# KiCad board ENV_KB.kicad_pcb (continued)
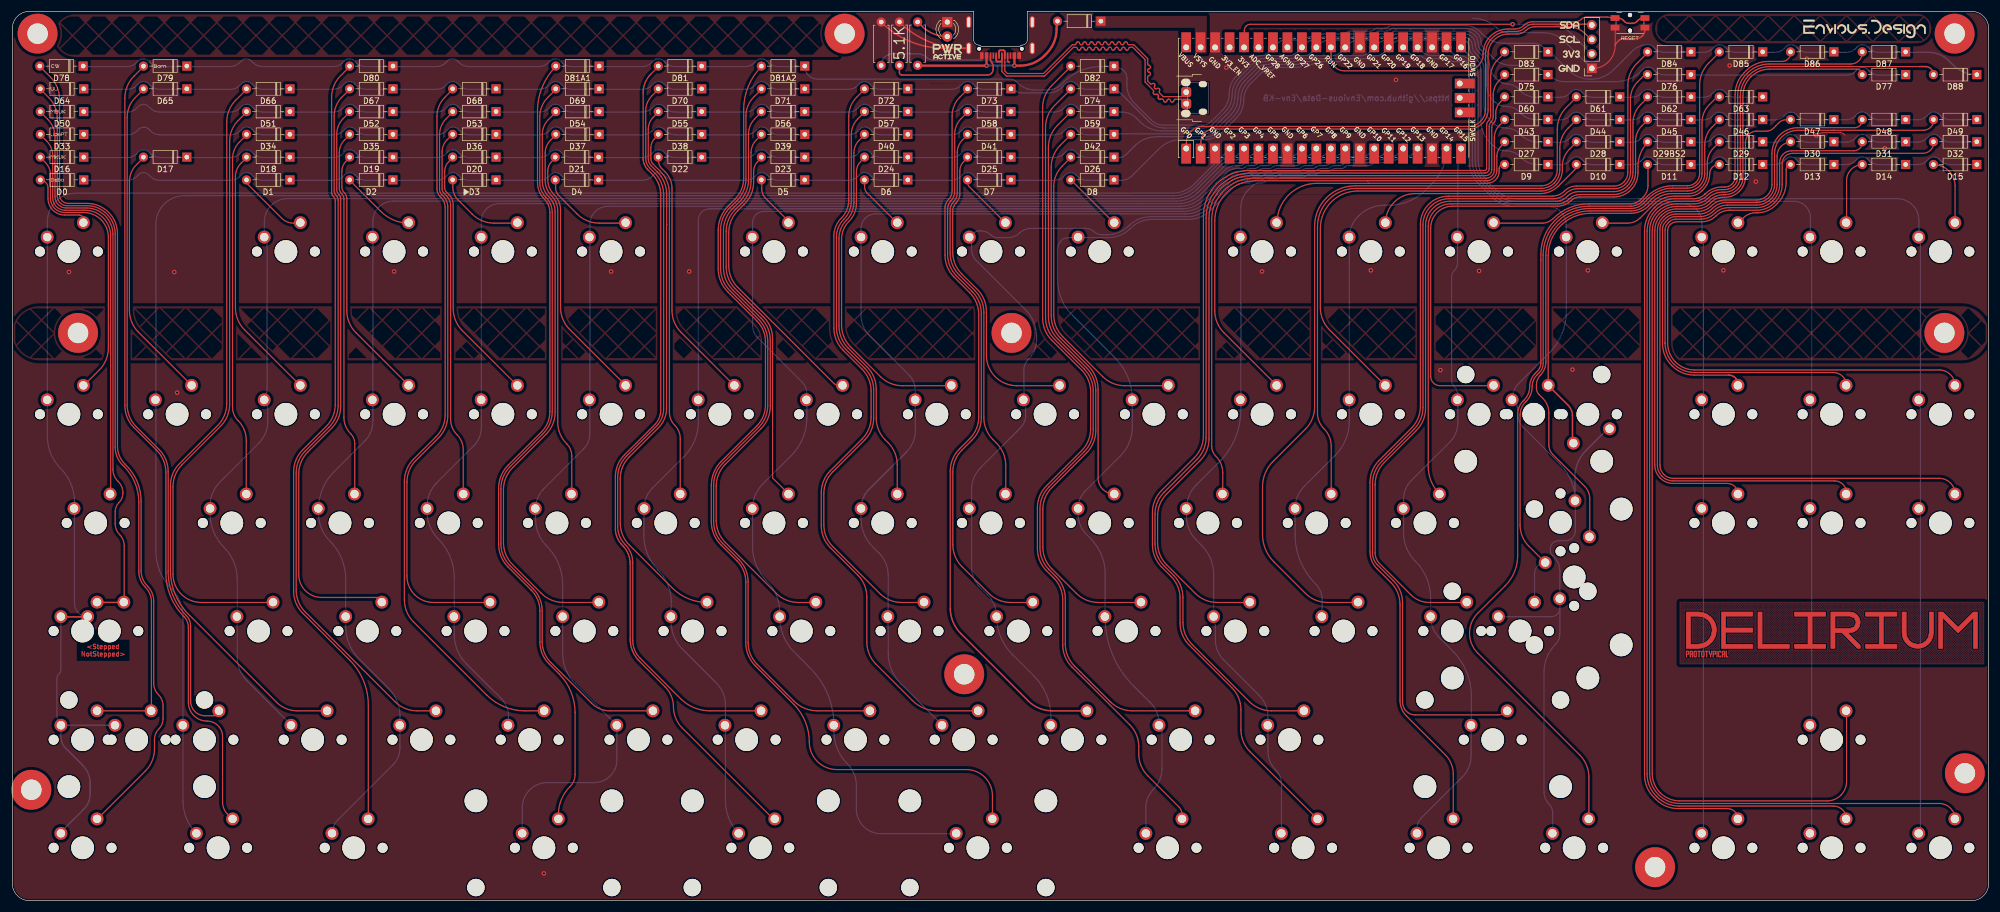
[diagram p0: board, top side]
## Routing (per net, layer and track width the routed paths; a pad name or vN(x,y) marks a point on that pad's centre or on a via; arc(x,y) is an arc through that point) (continued)
Net-(D42-Pad2): length 68.9
  Top w0.2: 185.84,134.6 184,132.76 arc(182.82,131) 182.41,128.92 182.41,102.76 arc(182.82,100.68) 184,98.92 188.91,94.01 arc(190.19,92.09) 190.64,89.82 190.64,74.29 arc(191.47,72.29) K_42.2
Net-(D43-Pad2): length 112.8
  Top w0.2: 262.09,137.25 261.15,136.31 arc(260.45,135.27) 260.21,134.04 260.21,128.41 arc(259.79,127.4) 258.78,126.99 217.95,126.99 arc(212.74,124.83) 210.58,119.62 210.58,79.88 arc(210.77,78.93) 211.31,78.12 arc(212.21,76.78) 212.52,75.19 212.52,71.45
Net-(D44-Pad2): length 105.7
  Top w0.2: 274.64,137.25 273.17,135.79 arc(272.09,134.16) 271.71,132.25 271.71,128.48 arc(271.46,127.22) 270.74,126.15 arc(269.68,125.44) 268.42,125.18 235.89,125.18 arc(231.13,123.21) 229.16,118.45 229.16,85.7 arc(229.46,84.21) 230.3,82.95 arc(231.24,81.54) 231.57,79.88 231.57,71.45
Net-(D45-Pad2): length 98.9
  Top w0.2: 287.19,137.25 286.1,136.16 arc(285.29,134.95) 285.01,133.53 285.01,128.02 arc(284.71,126.52) 283.86,125.26 arc(282.6,124.41) 281.1,124.11 275.28,124.11 arc(274.21,123.9) 273.3,123.29 arc(272.39,122.69) 271.33,122.48 252.59,122.48 arc(249.77,121.31) 248.61,118.49 248.61,76.32 arc(249.13,73.69) 250.62,71.45
Net-(D46-Pad2): length 98.9
  Top w0.2: 299.74,137.25 298.45,135.96 arc(297.49,134.53) 297.16,132.85 297.16,127.79 arc(296.93,126.62) 296.26,125.63 arc(295.27,124.97) 294.1,124.73 291.33,124.73 arc(289.42,124.35) 287.79,123.27 286.8,122.28 arc(285.65,121.51) 284.28,121.23 277.08,121.23 arc(271.55,118.94) 269.26,113.41 269.26,94.69 arc(269,93.41) 268.28,92.33 arc(267.78,91.59) 267.61,90.71 267.61,90.03 arc(267.72,89.46) 268.05,88.97 268.72,88.3 arc(269.51,87.12) 269.78,85.73 269.78,80.1 arc(269.96,79.19) 270.48,78.41 276.06,72.83 arc(276.73,71.83) 276.96,70.66 276.96,63.86
Net-(D47-Pad2): length 95.3
  Top w0.2: 312.29,137.25 311.41,137.25 arc(310.76,137.12) 310.21,136.75 309.23,135.78 arc(308.65,135.39) 307.96,135.25 306.28,135.25 arc(304.89,134.67) 304.31,133.28 304.31,130.67 304.31,127.26 arc(304.03,125.87) 303.24,124.69 arc(302.06,123.9) 300.67,123.62 300.34,123.62 arc(299.28,123.41) 298.38,122.81 298.17,122.6 arc(297.03,121.84) 295.69,121.58 292.24,121.58 arc(290.78,121.28) 289.54,120.46 289.46,120.38 arc(288.66,119.19) 288.38,117.78 288.38,76.57 arc(288.63,75.33) 289.33,74.27 arc(290.39,73.57) 291.63,73.32 301.14,73.32 arc(302.46,72.78) 303.01,71.45
Net-(D48-Pad2): length 126.1
  Top w0.2: 324.84,137.25 arc(324.43,136.26) 323.44,135.85 313.49,135.85 arc(310.29,134.52) 308.96,131.31 308.96,125.9 arc(308.75,124.85) 308.15,123.96 arc(307.26,123.36) 306.2,123.15 300.78,123.15 arc(299.46,122.89) 298.34,122.14 arc(297.22,121.39) 295.89,121.12 292.09,121.12 arc(290.94,120.89) 289.96,120.24 289.77,120.05 arc(289.08,119.03) 288.84,117.82 288.84,76.55 arc(289.05,75.49) 289.66,74.59 arc(290.56,73.99) 291.62,73.77 319.94,73.77 arc(321.44,73.15) 322.06,71.65
Net-(D49-Pad2): length 156.9
  Top w0.2: 319.81,135.4 313.59,135.4 arc(310.63,134.18) 309.41,131.22 309.41,125.9 arc(309.16,124.68) 308.47,123.64 arc(307.43,122.94) 306.2,122.7 300.97,122.7 arc(299.65,122.44) 298.53,121.69 arc(297.4,120.94) 296.08,120.67 292.08,120.67 arc(291.11,120.48) 290.28,119.93 289.92,119.57 arc(289.46,118.87) 289.29,118.05 289.29,76.55 arc(289.47,75.66) 289.97,74.91 arc(290.73,74.4) 291.62,74.23 338.34,74.23 arc(340.3,73.41) 341.11,71.45 ; 319.81,135.4 319.81,135.4 ; 319.81,135.4 arc(319.81,135.4) 319.81,135.4 ; 319.81,135.4 335.54,135.4 arc(336.85,135.94) 337.39,137.25
Net-(D50-Pad2): length 100.4
  Top w0.2: 4.94,138.6 6.21,137.33 arc(7.15,135.92) 7.48,134.25 7.48,123.74 arc(8.07,122.33) 9.48,121.75 12.99,121.75 arc(16.29,120.38) 17.66,117.08 17.66,75.83 arc(17.89,74.69) 18.53,73.72 18.63,73.63 arc(19.21,72.77) 19.41,71.75 19.41,71.6 arc(19.23,70.72) 18.73,69.97 arc(18.23,69.23) 18.06,68.35 18.06,66.22 arc(18.26,65.19) 18.85,64.31 arc(19.44,63.43) 19.64,62.4 19.64,52.41
  Top w0.25: 14.88,52.41 19.63,52.41
Net-(D51-Pad2): length 106.4
  Top w0.2: 45.84,52.41 33.17,52.41 arc(29.66,53.86) 28.21,57.37 28.21,72.77 arc(28.62,74.86) 29.8,76.62 36.56,83.38 arc(37.74,85.14) 38.15,87.23 38.15,133.5 arc(38.54,135.45) 39.65,137.11 41.14,138.6
Net-(D52-Pad2): length 102.2
  Top w0.2: 59.24,138.6 58.1,137.46 arc(57.25,136.2) 56.96,134.71 56.96,124.97 arc(57.05,124.51) 57.31,124.13 arc(57.56,123.74) 57.65,123.29 57.65,86.88 arc(57.24,84.79) 56.06,83.03 51.88,78.85 arc(50.7,77.08) 50.28,75 50.28,57.31 arc(51.46,54.47) 54.31,53.28 64.05,53.28 arc(64.63,53.04) K_52.2
Net-(D53-Pad2): length 102.6
  Top w0.2: 83.94,52.41 73.93,52.41 arc(72.15,52.76) 70.64,53.76 arc(69.64,55.27) 69.28,57.05 69.28,73.53 arc(69.7,75.62) 70.88,77.38 74.86,81.36 arc(76.03,83.13) 76.45,85.21 76.45,122.02 arc(76.26,122.96) 75.73,123.76 75.4,124.08 arc(75.11,124.52) 75.01,125.03 75.01,134.62 arc(75.31,136.14) 76.17,137.43 77.34,138.6
Net-(D54-Pad2): length 102
  Top w0.2: 102.99,52.41 96.74,52.41 arc(94.66,52.82) 92.9,54 87.83,59.07 arc(86.65,60.83) 86.23,62.92 86.23,72.23 arc(86.65,74.32) 87.83,76.08 93.71,81.96 arc(94.89,83.73) 95.3,85.81 95.3,121.04 arc(95.01,122.51) 94.18,123.75 arc(93.35,125) 93.06,126.46 93.06,134.7 arc(93.34,136.1) 94.13,137.29 95.2,138.37
Net-(D55-Pad2): length 98.6
  Top w0.2: 113.44,138.6 112.55,137.71 arc(111.89,136.72) 111.66,135.56 111.66,130.41 arc(111.79,129.72) 112.18,129.14 113.29,128.03 arc(114.47,126.27) 114.88,124.18 114.88,118.77 114.87,118.76 arc(114.86,118.75) 114.86,118.74 114.86,86.5 arc(114.5,84.68) 113.47,83.14 108.33,78 arc(107.15,76.23) 106.73,74.15 106.73,66.35 arc(107.15,64.27) 108.33,62.5 115.87,54.96 arc(118.7,53.07) 122.04,52.41
Net-(D56-Pad2): length 104.6
  Top w0.2: 141.09,52.41 137.99,52.41 arc(135.91,52.82) 134.15,54 125.18,62.97 arc(124,64.73) 123.58,66.82 123.58,72.83 arc(124,74.92) 125.18,76.68 131.49,82.99 arc(132.67,84.76) 133.08,86.84 133.08,98.51 arc(132.67,100.59) 131.49,102.36 126.45,107.39 arc(125.27,109.16) 124.86,111.24 124.86,117.77 arc(125.27,119.85) 126.45,121.62 127.66,122.83 arc(128.84,124.59) 129.26,126.68 129.26,134.71 arc(129.55,136.2) 130.4,137.46 131.54,138.6
Net-(D57-Pad2): length 103.6
  Top w0.2: 149.64,138.6 148.47,137.43 arc(147.61,136.14) 147.31,134.62 147.31,122.92 arc(146.97,121.21) 146,119.77 arc(145.03,118.32) 144.69,116.61 144.69,100.8 arc(145.11,98.72) 146.29,96.96 149.64,93.61 arc(150.82,91.84) 151.23,89.76 151.23,84.79 arc(150.82,82.71) 149.64,80.94 144.08,75.38 arc(142.9,73.62) 142.48,71.53 142.48,66.07 arc(142.9,63.98) 144.08,62.22 152.3,54 arc(154.06,52.82) 156.14,52.41 160.14,52.41
Net-(D58-Pad2): length 99.8
  Top w0.2: 179.19,52.41 175.29,52.41 arc(173.21,52.82) 171.45,54 166.73,58.72 arc(165.55,60.48) 165.13,62.57 165.13,75.33 arc(165.55,77.42) 166.73,79.18 168.54,80.99 arc(169.72,82.76) 170.13,84.84 170.13,103.2 arc(169.72,105.28) 168.54,107.05 165.8,109.78 arc(164.62,111.55) 164.21,113.63 164.21,121.54 arc(164.37,122.36) 164.83,123.05 arc(165.3,123.74) 165.46,124.56 165.46,134.71 arc(165.75,136.2) 166.6,137.46 167.74,138.6
Net-(D59-Pad2): length 106.4
  Top w0.2: 198.24,52.41 190.68,52.41 arc(188.6,52.82) 186.83,54 182.53,58.3 arc(181.35,60.07) 180.93,62.15 180.93,68.75 arc(181.35,70.83) 182.53,72.6 188.61,78.67 arc(189.81,80.48) 190.23,82.6 190.23,89.64 arc(189.79,91.86) 188.53,93.75 183.51,98.77 arc(182.33,100.54) 181.92,102.62 181.92,132.43 arc(182.33,134.51) 183.51,136.27 185.84,138.6
Net-(D60-Pad2): length 149.7
  Top w0.2: 217.29,52.41 211.56,52.41 arc(209.47,52.82) 207.71,54 202.68,59.03 arc(201.5,60.8) 201.08,62.88 201.08,67.62 arc(201.5,69.7) 202.68,71.46 208.52,77.31 arc(209.7,79.07) 210.11,81.15 210.11,119.94 arc(212.3,125.24) 217.6,127.44 258.71,127.44 arc(259.45,127.74) 259.76,128.48 259.76,135.87 arc(259.85,136.33) 260.11,136.72 arc(260.37,137.11) 260.46,137.57 260.46,138.43 arc(260.68,139.49) 261.28,140.39 262.09,141.2
Net-(D61-Pad2): length 142.5
  Top w0.2: 236.34,52.41 230.91,52.41 arc(228.82,52.82) 227.06,54 221.49,59.57 arc(220.02,61.76) 219.51,64.35 219.51,72.74 arc(219.99,75.14) 221.35,77.18 227.06,82.89 arc(228.24,84.66) 228.65,86.74 228.65,118.51 arc(230.74,123.55) 235.78,125.63 268.42,125.63 arc(269.5,125.85) 270.43,126.47 arc(271.04,127.39) 271.26,128.48 271.26,135.57 arc(271.67,137.65) 272.85,139.41 274.64,141.2
Net-(D62-Pad2): length 136.1
  Top w0.2: 287.19,141.2 285.87,139.89 arc(284.9,138.43) 284.56,136.71 284.56,128 arc(284.3,126.71) 283.57,125.61 arc(282.47,124.88) 281.18,124.62 275.06,124.62 arc(273.96,124.4) 273.02,123.77 arc(272.08,123.15) 270.97,122.93 252.44,122.93 arc(249.39,121.66) 248.13,118.62 248.13,86.51 arc(247.72,84.42) 246.54,82.66 240.88,77 arc(239.7,75.23) 239.28,73.15 239.28,61.1 arc(239.48,60.11) 240.05,59.26 245.56,53.75 arc(247.05,52.75) 248.8,52.41 255.39,52.41
Net-(D63-Pad2): length 114.3
  Top w0.2: 269.18,59.39 266.29,62.28 arc(265.14,64) 264.73,66.03 264.73,85.34 arc(264.98,86.58) 265.68,87.63 265.76,87.71 arc(266.57,88.93) 266.86,90.36 arc(267.07,91.45) 267.69,92.37 268.11,92.78 arc(268.61,93.53) 268.78,94.41 268.78,113.44 arc(271.19,119.25) 277,121.66 284.26,121.66 arc(285.41,121.89) 286.39,122.54 287.33,123.48 arc(289.26,124.77) 291.53,125.22 294.12,125.22 arc(295.1,125.42) 295.93,125.97 arc(296.49,126.8) 296.68,127.78 296.68,136.8 arc(297.02,138.49) 297.97,139.91 299.26,141.2
  Bottom w0.2: 267.27,52.44 267.27,57.48 arc(267.83,58.83) 269.18,59.39
Net-(D64-Pad2): length 128.8
  Top w0.2: 14.88,33.35 24.4,33.35 ; 4.94,142.6 6.41,141.13 arc(7.5,139.5) 7.88,137.57 7.88,123.85 arc(8.38,122.65) 9.58,122.15 13.08,122.15 arc(16.6,120.69) 18.06,117.17 18.06,79.66 arc(18.39,78) 19.33,76.59 19.6,76.32 arc(21.53,73.43) 22.21,70.02 22.21,57.82 arc(22.5,56.37) 23.32,55.14 arc(24.14,53.92) 24.42,52.47 24.42,33.35
Net-(D65-Pad2): length 119
  Top w0.2: 23.04,142.6 21.6,141.16 arc(20.53,139.56) 20.16,137.68 20.16,87.16 arc(20.57,85.07) 21.75,83.31 25.76,79.29 arc(26.94,77.53) 27.36,75.45 27.36,57.82 arc(28.19,53.64) 30.56,50.1 arc(31.11,49.27) 31.31,48.29 31.31,35.03 arc(32.05,33.24) 33.84,32.5 35.4,32.5 arc(36.02,32.75) K_65.2
Net-(D66-Pad2): length 129.2
  Top w0.2: 55.36,33.35 50.06,33.35 arc(48.07,33.75) 46.38,34.88 30.96,50.3 arc(28.59,53.84) 27.76,58.03 27.76,72.96 arc(28.17,75.04) 29.35,76.81 36.05,83.51 arc(37.23,85.27) 37.65,87.35 37.65,136.85 arc(38.06,138.94) 39.24,140.7 41.14,142.6
Net-(D67-Pad2): length 125.9
  Top w0.2: 59.24,142.6 57.87,141.23 arc(56.86,139.72) 56.51,137.94 56.51,124.78 arc(56.6,124.33) 56.86,123.94 arc(57.11,123.56) 57.2,123.1 57.2,87.06 arc(56.79,84.98) 55.61,83.21 51.43,79.03 arc(50.25,77.27) 49.83,75.18 49.83,54.58 arc(50.25,52.5) 51.43,50.73 67.21,34.95 arc(68.97,33.77) 71.06,33.35 74.41,33.35
Net-(D68-Pad2): length 127
  Top w0.2: 77.34,142.6 75.95,141.21 arc(74.92,139.67) 74.56,137.85 74.56,125.07 arc(74.7,124.35) 75.11,123.74 75.28,123.57 arc(75.81,122.77) 76,121.83 76,85.39 arc(75.58,83.31) 74.41,81.55 70.43,77.57 arc(69.25,75.8) 68.83,73.72 68.83,52.86 arc(69.25,50.78) 70.43,49.01 83.31,36.13 arc(86.38,34.08) 90,33.35 93.46,33.35
Net-(D69-Pad2): length 129.8
  Top w0.2: 95.44,142.6 94.02,141.18 arc(92.98,139.62) 92.61,137.77 92.61,126.24 arc(92.89,124.81) 93.7,123.6 arc(94.51,122.39) 94.8,120.96 94.8,85.94 arc(94.38,83.86) 93.2,82.09 87.38,76.27 arc(86.2,74.5) 85.78,72.42 85.78,62.73 arc(86.2,60.65) 87.38,58.88 91.44,54.82 arc(92.62,53.05) 93.03,50.97 93.03,45.51 arc(93.43,43.54) 94.55,41.86 101.72,34.69 arc(103.2,33.7) 104.94,33.35 112.51,33.35
Net-(D70-Pad2): length 130.6
  Top w0.2: 131.56,33.35 122.5,33.35 arc(119.71,33.91) 117.34,35.49 110.23,42.6 arc(109.27,44.04) 108.93,45.74 108.93,59.39 arc(108.59,61.12) 107.61,62.59 arc(106.63,64.05) 106.28,65.79 106.28,74.33 arc(106.7,76.42) 107.88,78.18 113.11,83.42 arc(114.03,84.79) 114.35,86.42 114.35,124.11 arc(113.94,126.16) 112.78,127.9 111.89,128.79 arc(111.39,129.55) 111.21,130.44 111.21,138.79 arc(111.5,140.25) 112.32,141.48 113.44,142.6
Net-(D71-Pad2): length 135.1
  Top w0.2: 131.54,142.6 130.17,141.23 arc(129.16,139.72) 128.81,137.94 128.81,126.86 arc(128.39,124.78) 127.21,123.02 125.95,121.75 arc(124.77,119.99) 124.36,117.91 124.36,111.1 arc(124.77,109.02) 125.95,107.26 131.04,102.17 arc(132.22,100.4) 132.63,98.32 132.63,87.03 arc(132.22,84.95) 131.04,83.18 124.73,76.87 arc(123.55,75.1) 123.13,73.02 123.13,66.63 arc(123.55,64.55) 124.73,62.78 127.59,59.92 arc(128.77,58.15) 129.18,56.07 129.18,45.38 arc(129.6,43.3) 130.78,41.53 137.23,35.08 arc(139.14,33.8) 141.39,33.35 150.52,33.35
Net-(D72-Pad2): length 132.5
  Top w0.2: 149.64,142.6 148.25,141.21 arc(147.22,139.67) 146.86,137.85 146.86,123.11 arc(146.52,121.4) 145.55,119.95 arc(144.58,118.51) 144.24,116.8 144.24,100.62 arc(144.66,98.53) 145.84,96.77 149.19,93.42 arc(150.37,91.65) 150.78,89.57 150.78,84.98 arc(150.37,82.9) 149.19,81.13 143.63,75.57 arc(142.45,73.8) 142.03,71.72 142.03,65.88 arc(142.45,63.8) 143.63,62.03 148.44,57.22 arc(149.62,55.45) 150.03,53.37 150.03,45.43 arc(150.45,43.35) 151.63,41.58 158.04,35.17 arc(160.05,33.83) 162.42,33.35 169.66,33.35
Net-(D73-Pad2): length 128.6
  Top w0.2: 167.74,142.6 166.37,141.23 arc(165.36,139.72) 165.01,137.94 165.01,124.74 arc(164.85,123.93) 164.38,123.23 arc(163.92,122.54) 163.76,121.73 163.76,113.44 arc(164.17,111.36) 165.35,109.6 168.09,106.86 arc(169.27,105.09) 169.68,103.01 169.68,85.03 arc(169.27,82.95) 168.09,81.18 166.28,79.37 arc(165.1,77.6) 164.68,75.52 164.68,51.42
  Top w0.25: 188.71,33.35 182.6,33.35 arc(180.31,33.81) 178.37,35.11 166.54,46.94 arc(165.17,49) 164.68,51.42
Net-(D74-Pad2): length 135.5
  Top w0.2: 207.76,33.35 196.64,33.35 arc(194.56,33.77) 192.8,34.95 186.48,41.27 arc(185.3,43.03) 184.88,45.12 184.88,53.13 arc(184.48,55.15) 183.34,56.85 182.03,58.17 arc(180.85,59.93) 180.43,62.02 180.43,68.88 arc(180.85,70.97) 182.03,72.73 188.19,78.89 arc(189.37,80.66) 189.78,82.74 189.78,89.61 arc(189.37,91.69) 188.19,93.46 183,98.64 arc(181.82,100.41) 181.41,102.49 181.41,135.92 arc(181.82,138) 183,139.76 185.84,142.6
Net-(D75-Pad2): length 176.5
  Top w0.2: 226.81,33.35 221.08,33.35 arc(219,33.77) 217.23,34.95 207.13,45.05 arc(205.95,46.81) 205.54,48.89 205.54,53.28 arc(205.12,55.36) 203.95,57.12 202.23,58.84 arc(201.05,60.61) 200.63,62.69 200.63,67.93 arc(201.05,70.01) 202.23,71.78 208.01,77.56 arc(209.19,79.32) 209.6,81.41 209.6,119.97 arc(211.92,125.57) 217.52,127.89 258.55,127.89 arc(259.09,128.11) 259.31,128.64 259.31,136.05 arc(259.4,136.51) 259.66,136.91 arc(259.92,137.3) 260.01,137.76 260.01,141.61 arc(260.28,142.96) 261.05,144.11 262.09,145.15
Net-(D76-Pad2): length 168
  Top w0.2: 286.61,145.15 285.36,143.9 arc(284.43,142.52) 284.11,140.88 284.11,127.98 arc(283.89,126.89) 283.27,125.96 arc(282.34,125.34) 281.25,125.13 274.85,125.13 arc(273.71,124.9) 272.74,124.25 arc(271.76,123.6) 270.62,123.38 252.29,123.38 arc(249.03,122.03) 247.68,118.77 247.68,86.69 arc(247.27,84.61) 246.09,82.84 240.43,77.18 arc(239.25,75.42) 238.83,73.33 238.83,61.07 arc(239.05,59.97) 239.68,59.03 242.51,56.2 arc(243.69,54.43) 244.1,52.35 244.1,34.87 arc(244.75,33.29) 246.33,32.64 260.81,32.64 arc(261.74,32.83) 262.53,33.35
Net-(D77-Pad2): length 205.8
  Top w0.2: 322.06,33.35 322.06,20.94 arc(321.8,19.64) 321.06,18.53 arc(319.95,17.79) 318.64,17.53 292.78,17.53 arc(290.92,17.89) 289.35,18.94 arc(288.3,20.51) 287.93,22.37 287.93,117.71 arc(288.26,119.35) 289.19,120.75 arc(290.61,121.69) 292.27,122.03 295.5,122.03 arc(296.84,122.29) 297.98,123.05 arc(299.11,123.81) 300.45,124.07 300.67,124.07 arc(301.89,124.32) 302.93,125.01 303.09,125.17 arc(303.66,126.02) 303.86,127.03 303.86,128.12 arc(303.86,128.12) 303.86,128.13 303.86,141.44 arc(304.22,143.24) 305.24,144.77 arc(306.77,145.79) 308.57,146.15 323.84,146.15 arc(324.55,145.86) 324.84,145.15
Net-(D78-Pad2): length 147.2
  Top w0.2: 14.88,14.31 23.36,22.79 arc(24.54,24.56) 24.96,26.64 24.96,28.34 arc(25.15,29.32) 25.71,30.15 arc(26.26,30.98) 26.46,31.96 26.46,34.24 arc(26.25,35.31) 25.64,36.22 arc(25.04,37.12) 24.82,38.19 24.82,52.63 arc(24.53,54.08) 23.72,55.31 arc(22.9,56.53) 22.61,57.98 22.61,70.24 arc(21.94,73.61) 20.03,76.46 19.76,76.73 arc(18.8,78.17) 18.46,79.88 18.46,117.22 arc(16.9,120.99) 13.13,122.55 9.79,122.55 arc(8.72,122.99) 8.28,124.05 8.28,140.9 arc(7.87,142.98) 6.69,144.75 4.84,146.6
Net-(D79-Pad2): length 141
  Top w0.2: 38.69,14.31 37.8,15.2 arc(37.14,16.18) 36.91,17.35 36.91,28.85 arc(36.12,30.76) 34.21,31.55 arc(31.87,32.52) 30.91,34.85 30.91,48.05 arc(30.71,49.07) 30.13,49.93 30.12,49.93 arc(27.78,53.44) 26.96,57.57 26.96,75.28 arc(26.54,77.36) 25.37,79.13 21.35,83.14 arc(20.17,84.91) 19.76,86.99 19.76,141.06 arc(20.17,143.15) 21.35,144.91 23.04,146.6
Net-(D80-Pad2): length 140.8
  Top w0.2: 59.24,146.6 57.65,145.01 arc(56.47,143.25) 56.06,141.17 56.06,124.55 arc(56.14,124.14) 56.38,123.79 arc(56.61,123.43) 56.7,123.02 56.7,87.19 arc(56.28,85.11) 55.1,83.34 50.98,79.22 arc(49.8,77.45) 49.38,75.37 49.38,54.38 arc(49.8,52.3) 50.98,50.53 59.23,42.28 arc(61.65,38.65) 62.5,34.37 62.5,14.31
Net-(D81-Pad2): length 147.2
  Top w0.2: 113.44,146.6 112.18,145.34 arc(112.1,145.26) 112.02,145.18 arc(111.94,145.1) 111.87,145.01 111.8,144.93 arc(111.66,144.75) 111.53,144.57 arc(111.41,144.38) 111.3,144.18 arc(111.2,143.98) 111.11,143.77 arc(111.03,143.57) 110.96,143.35 arc(110.9,143.14) 110.85,142.92 arc(110.81,142.7) 110.78,142.47 110.77,142.36 arc(110.76,142.25) 110.76,142.14 arc(110.76,142.02) 110.76,141.91 110.76,130.49 arc(110.76,130.42) 110.76,130.34 arc(110.76,130.27) 110.77,130.19 110.78,130.11 arc(110.8,129.96) 110.83,129.81 arc(110.87,129.67) 110.91,129.52 arc(110.97,129.38) 111.03,129.24 arc(111.1,129.1) 111.18,128.97 arc(111.26,128.84) 111.35,128.72 111.4,128.66 arc(111.45,128.6) 111.5,128.55 arc(111.55,128.49) 111.61,128.44 112.22,127.83 arc(112.3,127.75) 112.38,127.67 arc(112.46,127.58) 112.54,127.5 112.61,127.41 arc(112.75,127.23) 112.89,127.04 arc(113.02,126.85) 113.14,126.66 arc(113.25,126.45) 113.35,126.25 arc(113.44,126.04) 113.52,125.82 arc(113.6,125.61) 113.66,125.39 arc(113.72,125.16) 113.76,124.94 arc(113.8,124.71) 113.82,124.48 113.83,124.37 arc(113.84,124.25) 113.84,124.14 arc(113.84,124.02) 113.84,123.91 113.84,86.21 arc(113.57,84.83) 112.78,83.65 107.47,78.34 arc(106.29,76.58) 105.88,74.5 105.88,65.16 arc(105.89,64.94) 105.92,64.72 arc(105.97,64.5) 106.03,64.29 arc(106.1,64.08) 106.18,63.87 arc(106.27,63.67) 106.37,63.47 arc(106.48,63.27) 106.6,63.09 arc(106.73,62.91) 106.86,62.73 106.93,62.64 arc(107,62.56) 107.08,62.48 107.24,62.32 arc(107.31,62.24) 107.38,62.16 107.45,62.07 arc(107.59,61.89) 107.72,61.71 arc(107.84,61.53) 107.95,61.33 arc(108.05,61.13) 108.14,60.93 arc(108.22,60.72) 108.29,60.51 arc(108.34,60.3) 108.39,60.08 arc(108.43,59.86) 108.46,59.64 108.47,59.53 arc(108.48,59.42) 108.48,59.31 arc(108.48,59.2) 108.48,59.09 108.48,46.07 arc(108.48,45.95) 108.48,45.84 arc(108.49,45.72) 108.5,45.6 108.51,45.48 arc(108.53,45.24) 108.57,45.01 arc(108.61,44.78) 108.67,44.55 arc(108.74,44.32) 108.81,44.09 arc(108.9,43.87) 109,43.66 arc(109.1,43.44) 109.21,43.23 arc(109.34,43.03) 109.47,42.83 arc(109.61,42.64) 109.76,42.46 109.83,42.37 arc(109.91,42.28) 109.99,42.19 arc(110.08,42.11) 110.16,42.02 114.65,37.54 arc(115.71,35.95) 116.08,34.08 arc(116.48,32.05) 117.64,30.32 133.45,14.51
Net-(D81A1-Pad2): length 141.4
  Top w0.2: 95.44,146.6 arc(93.05,143.02) 92.21,138.8 92.21,126.21 arc(92.52,124.64) 93.41,123.31 arc(94.13,122.23) 94.38,120.96 94.38,85.94 arc(94,84.02) 92.92,82.39 87.08,76.56 arc(85.82,74.67) 85.38,72.44 85.38,62.67 85.38,62.66 arc(85.82,60.48) 87.05,58.63 91.1,54.59 91.11,54.59 arc(92.24,52.9) 92.63,50.9 92.63,45.46 arc(93.05,43.38) 94.22,41.62 95.98,39.86 arc(98.07,36.73) 98.81,33.04 98.81,22.21 arc(98.57,21.03) 97.91,20.03 arc(96.41,17.79) 95.88,15.14
Net-(D81A2-Pad2): length 175
  Top w0.2: 172.09,14.31 172.09,18.44 arc(170.75,21.69) 167.5,23.03 144.78,23.03 arc(141.35,24.46) 139.93,27.88 arc(139.22,31.49) 137.18,34.54 130.48,41.23 arc(129.22,43.12) 128.78,45.35 128.78,55.98 128.78,55.98 arc(128.38,57.99) 127.25,59.7 124.41,62.53 arc(123.16,64.4) 122.73,66.59 122.73,73.03 122.73,73.03 arc(123.18,75.28) 124.45,77.17 130.71,83.44 arc(131.84,85.12) 132.23,87.12 132.23,98.26 arc(131.84,100.22) 130.73,101.89 125.63,106.98 arc(124.37,108.87) 123.93,111.09 123.93,117.81 arc(124.4,120.14) 125.72,122.12 126.88,123.28 arc(128.01,124.97) 128.41,126.97 128.41,139.04 arc(129.22,143.13) 131.54,146.6
Net-(D82-Pad2): length 149
  Top w0.2: 185.84,146.6 182.49,143.26 arc(181.32,141.49) 180.9,139.41 180.9,102.36 arc(181.32,100.28) 182.49,98.51 187.74,93.27 arc(188.92,91.5) 189.33,89.42 189.33,82.93 arc(188.92,80.85) 187.74,79.08 181.58,72.92 arc(180.4,71.15) 179.98,69.07 179.98,61.83 arc(180.4,59.75) 181.58,57.98 182.84,56.72 arc(184.02,54.95) 184.43,52.87 184.43,44.93 arc(184.85,42.85) 186.03,41.08 196.19,30.92 arc(197.37,29.15) 197.78,27.07 197.78,25.77 arc(198.2,23.69) 199.38,21.92 204.81,16.49 arc(205.23,15.86) 205.38,15.11
Net-(D83-Pad2): length 196.1
  Top w0.2: 262.09,149.1 260.83,147.84 arc(259.89,146.44) 259.56,144.79 259.56,137.94 arc(259.47,137.48) 259.21,137.09 arc(258.95,136.7) 258.86,136.24 258.86,128.67 arc(258.76,128.43) 258.52,128.34 217.15,128.34 arc(211.48,125.99) 209.13,120.32 209.13,81.7 arc(208.72,79.62) 207.54,77.85 201.78,72.09 arc(200.6,70.32) 200.18,68.24 200.18,62.5 arc(200.6,60.42) 201.78,58.66 203.44,57 arc(204.62,55.23) 205.03,53.15 205.03,48.77 arc(205.45,46.68) 206.62,44.92 214.13,37.42 arc(215.3,35.65) 215.72,33.57 215.72,30.03 arc(216.13,27.95) 217.31,26.18 229.19,14.31
Net-(D84-Pad2): length 176
  Top w0.2: 253,14.76 253,22.26 arc(252.64,24.08) 251.61,25.62 244.78,32.45 arc(243.95,33.7) 243.65,35.18 243.65,52.05 arc(243.24,54.13) 242.06,55.9 239.59,58.37 arc(238.7,59.71) 238.38,61.28 238.38,73.52 arc(238.8,75.6) 239.98,77.37 245.64,83.03 arc(246.82,84.8) 247.23,86.88 247.23,118.88 arc(248.68,122.38) 252.18,123.83 270.38,123.83 arc(271.54,124.06) 272.52,124.71 arc(273.5,125.37) 274.66,125.6 281.27,125.6 arc(282.18,125.78) 282.96,126.3 arc(283.48,127.08) 283.66,127.99 283.66,143.32 arc(284.07,145.4) 285.25,147.16 287.19,149.1
Net-(D85-Pad2): length 168.9
  Top w0.2: 276.82,14.65 276.82,21.7 arc(276.4,23.82) 275.2,25.61 257.32,43.49 arc(256.24,45.11) 255.86,47.01 arc(256.24,48.92) 257.32,50.53 262.11,55.33 arc(263.74,57.76) 264.31,60.63 264.31,85.46 arc(264.57,86.75) 265.3,87.85 265.47,88.02 arc(266.16,89.06) 266.41,90.28 arc(266.67,91.58) 267.4,92.67 267.78,93.06 arc(268.23,93.73) 268.38,94.51 268.38,112.58 268.38,112.59 268.38,113.58 arc(270.87,119.58) 276.87,122.07 284.2,122.07 284.21,122.06 arc(285.25,122.27) 286.13,122.86 287.08,123.81 arc(289.12,125.17) 291.53,125.65 294.12,125.65 arc(294.94,125.81) 295.63,126.27 arc(296.1,126.97) 296.26,127.78 296.26,143.37 arc(296.67,145.45) 297.85,147.21 299.74,149.1
Net-(D86-Pad2): length 165.6
  Top w0.2: 303.01,14.31 arc(302.46,15.63) 301.14,16.17 292.46,16.17 arc(290.38,16.59) 288.62,17.77 288.18,18.21 arc(287,19.97) 286.58,22.06 286.58,117.72 arc(287.01,119.88) 288.24,121.72 288.45,121.93 arc(290.05,123) 291.95,123.38 295.2,123.38 arc(296.3,123.59) 297.24,124.22 arc(298.57,125.11) 300.15,125.43 300.69,125.43 arc(301.38,125.56) 301.96,125.95 arc(302.35,126.53) 302.48,127.22 302.48,141.67 arc(302.9,143.75) 304.08,145.52 304.46,145.91 arc(306.23,147.09) 308.31,147.5 310.69,147.5 arc(311.82,147.97) 312.29,149.1
Net-(D87-Pad2): length 196.2
  Top w0.2: 324.84,149.1 arc(324.24,147.65) 322.79,147.05 308.5,147.05 arc(306.42,146.64) 304.65,145.46 304.53,145.33 arc(303.35,143.57) 302.93,141.48 302.93,128.78 302.93,127.22 arc(302.76,126.36) 302.28,125.63 arc(301.55,125.15) 300.69,124.97 300.08,124.97 arc(298.74,124.71) 297.61,123.95 arc(296.47,123.19) 295.13,122.93 292.11,122.93 arc(290.24,122.55) 288.65,121.49 288.62,121.46 arc(287.45,119.7) 287.03,117.63 287.03,22.24 arc(287.45,20.16) 288.63,18.39 288.8,18.22 arc(290.57,17.04) 292.65,16.62 319.74,16.62 arc(321.38,15.95) 322.06,14.31
Net-(D88-Pad2): length 226.2
  Top w0.2: 334.89,146.6 308.57,146.6 arc(306.59,146.21) 304.92,145.09 arc(303.8,143.41) 303.41,141.44 303.41,127.26 arc(303.2,126.21) 302.61,125.33 arc(301.72,124.73) 300.67,124.52 300.27,124.52 arc(298.93,124.26) 297.79,123.5 arc(296.66,122.74) 295.32,122.48 292.33,122.48 arc(290.44,122.1) 288.83,121.03 arc(287.83,119.53) 287.48,117.76 287.48,22.37 arc(287.89,20.34) 289.03,18.62 arc(290.75,17.48) 292.77,17.08 338.34,17.08 arc(340.3,16.26) 341.11,14.31
  Top w0.25: 334.89,146.6 335.9,146.6 arc(336.9,146.19) D88.2
Net-(PowerLED0-Pad2): length 6
  Top w0.25: 158.96,154.44 159.65,153.75 arc(161.72,152.37) PowerLED0.2
Net-(RESISTOR0-Pad1): length 21.1
  Top w0.25: USB1.B5 171.75,147.82 arc(171.81,147.52) 171.98,147.26 arc(172.15,147.01) 172.21,146.72 172.21,146.11 arc(171.92,145.4) 171.21,145.11 156.16,145.11 arc(155.88,145.23) 155.76,145.51 RESISTOR0.1
Net-(RESISTOR1-Pad2): length 25.3
  Top w0.25: USB1.A5 174.75,147.64 arc(174.83,147.46) v2(175.01,147.38)
  Bottom w0.25: v2(175.01,147.38) 172.37,147.38 arc(172.17,147.42) 172.01,147.53 arc(171.76,147.7) 171.46,147.76 161.57,147.76 arc(161.05,147.86) 160.61,148.16 arc(159.83,148.68) 158.92,148.86 154.62,148.86 arc(153.16,148.26) RESISTOR1.2
